# Altium PCB XSensCustomDevKitPCB.PcbDoc (continued)
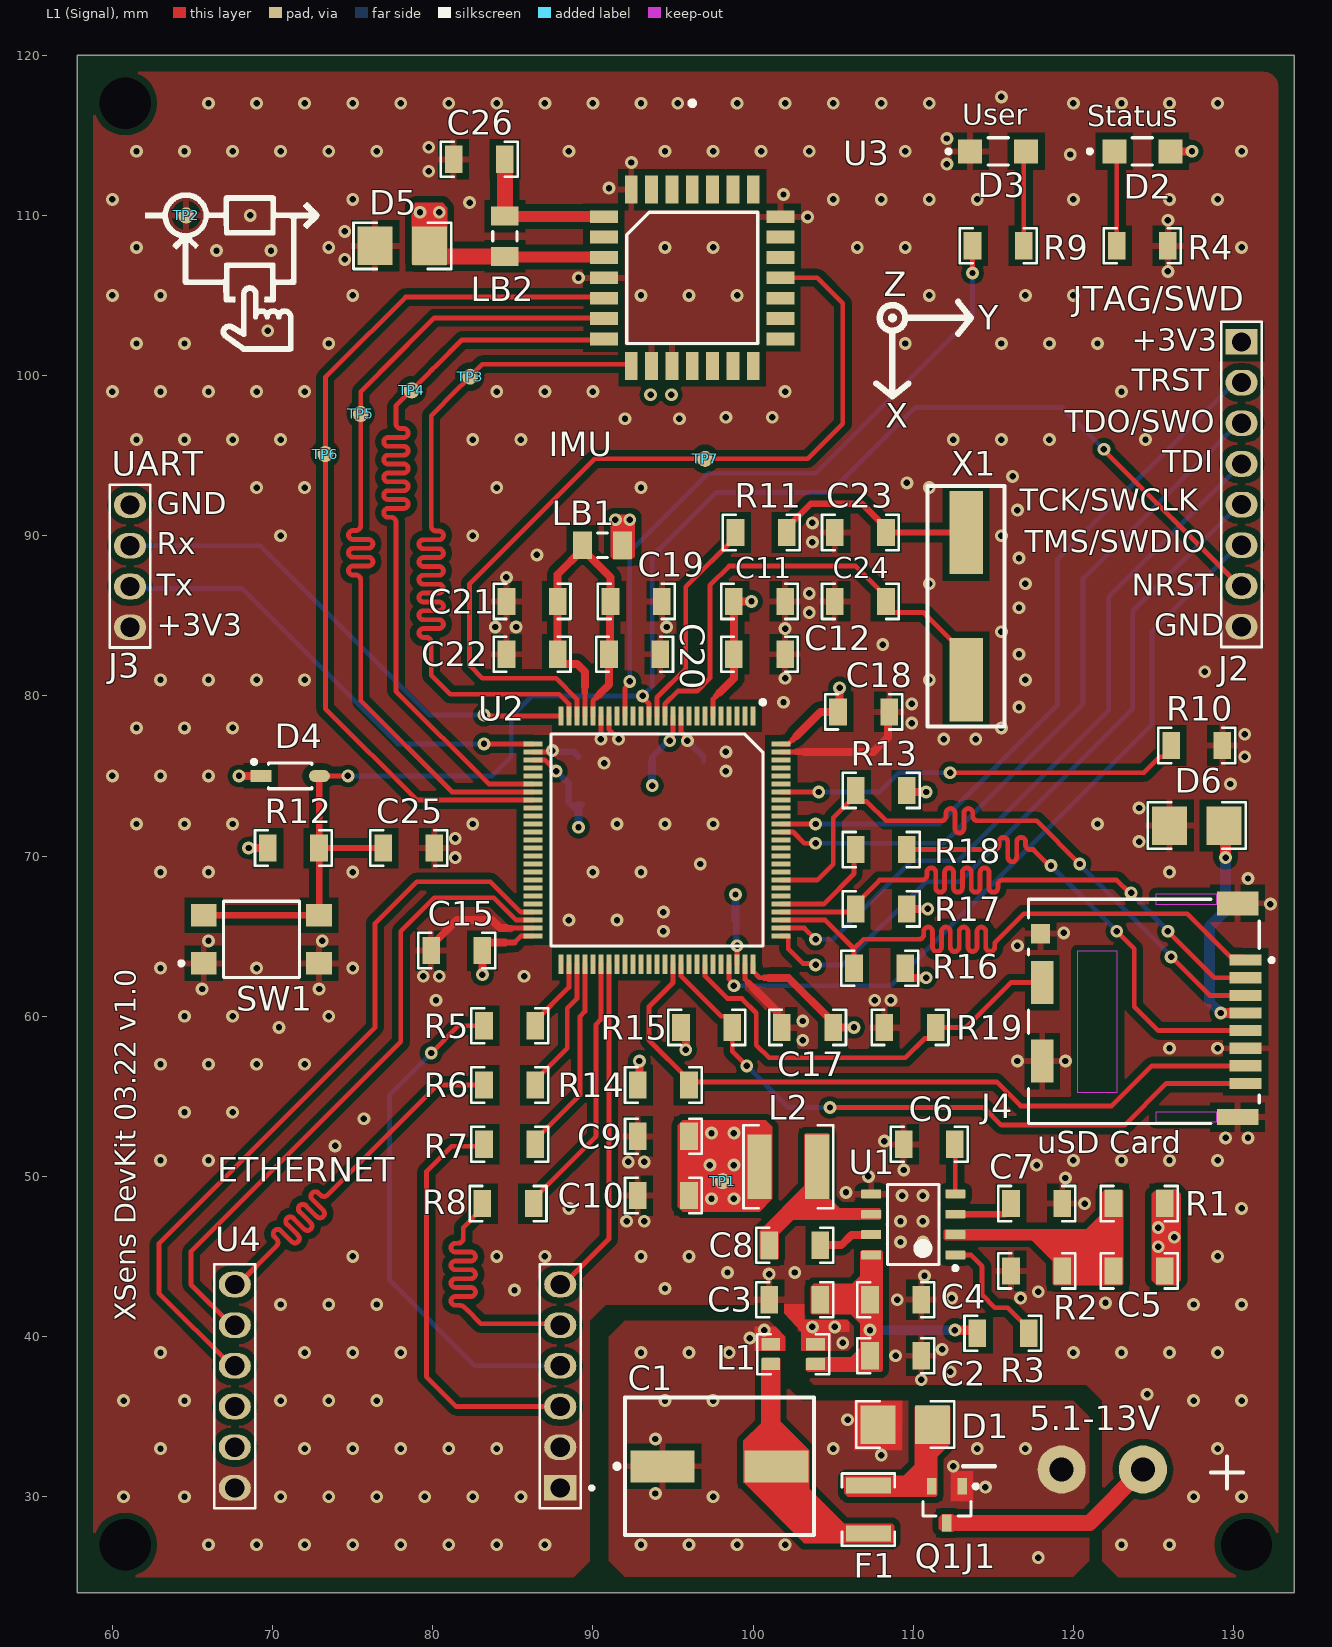
[diagram p0: L1 (Signal) view]
## Footprints (in the part's own frame and the unit in brackets; to place one, negate y for a bottom-side part, rotate by r counter-clockwise, add the part's x,y. Pads: shape width x height; smd on the part's side, far side on the other; paste and mask are expansions set on the pad) (continued)
  rect 1.76x0.8 smd: 5(-5.51,3.81) 6(-5.51,2.54) 7(-5.51,1.27) 8(-5.51,0) 9(-5.51,-1.27) 10(-5.51,-2.54) 11(-5.51,-3.81) 19(5.51,-3.81) 20(5.51,-2.54) 21(5.51,-1.27) 22(5.51,0) 23(5.51,1.27) 24(5.51,2.54) 25(5.51,3.81)
  silkscreen extent -4.09,-4.1 4.1,11, body extent -8.67,-8.67 8.67,8.67, height 4.6
RES_1206 [mm]
  rect 1.1x1.7 smd: 1(-1.6,0) 2(1.6,0)
  silkscreen extent -2.4,-1.1 2.4,1.1, body extent -1.6,-0.83 1.6,0.83, height 0.53
"TestPoint Pad 1.0mmx1.0mm" [mm] "TestPoint Pad 1.0mmx1.0mm"
  round 1 smd mask+0.2: 1(0,0)
TVS_Littlefuse [mm]
  rect 2.2x2.4 smd: 1(-1.7,0) 2(1.7,0)
  silkscreen extent -3.05,-1.45 3.05,1.45, body extent -2.46,-1.27 2.47,1.27, height 2
XTAL-12.5x4.8 [mm]
  rect 5.2x2.1 smd: 1(-4.6,0) 2(4.6,0)
  silkscreen extent -7.5,-2.4 7.5,2.4, body extent -6.4,-2.41 6.4,2.41, height 4.3

## Part data
C1: library part "CAP_ELECTROLYTIC D8", "CAP_ELECTROLYTIC D8"
C2 C3 C4 C5 C6 C7 C8 C9 C10 C11 C12 C13 C14 C15 C16 C17 C18 C19 C20 C21 C22 C23 C24 C25 C26: library part CAP_1206, "Generic 1206/3216 capacitor"
D1: library part TVS_13V, "TVS Diode TVS_SMAJ13CA  13V Bidirectional"
D2: library part CMP-22017-000010-1, "LED GREEN CLEAR 1206 SMD", Case Code (Imperial)=1206, Case Code (Metric)=3216, Color=Green, Forward Current=30mA, Forward Voltage=2V, Lens Color=Colorless, Max Operating Temperature=85°C, Min Operating Temperature=-55°C, Package Quantity=1, Power Dissipation=75mW, Reverse Voltage=5V, Test Current=20mA, Case/Package=1206, Depth=1.6mm, Dominant Wavelength=571nm, Height=1.1mm, Illumination Color=Green, Lead Free="Lead Free", Length=3.2mm, Lens Style=Diffused, Lens Transparency=Clear, Luminous Intensity=71mcd, Mount="Surface Mount", Number of Elements=1, Number of LEDs=1, Number of Pins=2, Packaging="Tape and Reel", Power Rating=75mW, Radiation Hardening=No, Viewing Angle=130°, Wavelength=574nm, Width=1.6mm
D3: library part CMP-2000-06618-2, "LED YELLOW CLEAR 1206 SMD", Case Code (Imperial)=1206, Case Code (Metric)=3216, Color=Yellow, Forward Current=30mA, Forward Voltage=2.4V, Lens Color=Colorless, Max Operating Temperature=85°C, Min Operating Temperature=-55°C, Package Quantity=1, Power Dissipation=75mW, Reverse Voltage=5V, Test Current=20mA, Case/Package=1206, Depth=1.6mm, Dominant Wavelength=587nm, Height=1.1mm, Illumination Color=Yellow, Lead Free="Lead Free", Length=3.2mm, Lens Style=Diffused, Lens Transparency=Clear, Luminous Intensity=60mcd, Mount="Surface Mount", Number of Elements=1, Number of LEDs=1, Number of Pins=2, Packaging="Tape and Reel", Power Rating=75mW, Radiation Hardening=No, Viewing Angle=130°, Wavelength=588nm, Width=1.6mm
D4: library part CMP-2000-04993-2, "DIODE GEN PURP 100V 150MA SOD123", Average Rectified Current=150mA, Capacitance=4pF, Forward Voltage=1V, Max Forward Surge Current (Ifsm)=1A, Max Operating Temperature=150°C, Max Repetitive Reverse Voltage (Vrrm)=100V, Max Reverse Leakage Current=5uA, Max Surge Current=2A, Min Operating Temperature=-65°C, Package Quantity=3000, Power Dissipation=400mW, Current Rating=150mA, Element Configuration=Single, Forward Current=150mA, Height=1.2mm, Lead Free="Lead Free", Length=2.85mm, Max Reverse Voltage (DC)=100V, Mount="Surface Mount", Number of Pins=2, Output Current=150mA, Packaging="Tape and Reel", Peak Non-Repetitive Surge Current=2A, Polarity=Standard, Radiation Hardening=No, Recovery Time=4ns, Reverse Recovery Time=4ns, Voltage Rating (DC)=100V, Width=1.8mm
D5 D6: library part TVS_5V, "TVS Diode TVS_SMAJ5.0CA  5V Bidirectional"
F1: library part FUSE_0ZCH0050FF2G, "FUSE 500mA/16V"
J1: library part "1x2 Header (Terminal Block 5.08mm)", "1x2 Header, Through Hole(Terminal Block 5.08mm)"
J2: "1x8 Header,Through Hole (Goldpin 2.54m)"
J3: library part "1x4 Header (Goldpin 2.54mm)", "1x4 Header,Through Hole (Goldpin 2.54mm)"
J4: library part CMP-11597-000003-1, "CONN MICRO SD CARD HINGED TYPE", Contact Resistance=100mR, Current Rating=500mA, Flammability Rating="UL94 V-0", Insulation Resistance=1GR, Max Operating Temperature=85°C, Min Operating Temperature=-25°C, Package Quantity=1, Voltage Rating (AC)=125V, Connector Type=Connector, Contact Material=Gold, Contact Plating=Gold, Depth=1.83mm, Gender=Female, Housing Material=Polymer, Lead Free="Lead Free", Length=14.1mm, Max Current Rating=500mA, Mount="Surface Mount", Number Of Contacts=8, Number of Positions=8, Number of Rows=1, Orientation="Right Angle", Packaging="Tape and Reel", Pitch=1.1mm, Radiation Hardening=No, Termination=Solder, Width=13.8mm
L1: library part CMC-1206USB, "31nH @ 100MHz 2 Line Common Mode Choke Surface Mount 37 Ohms @ 100MHz 1A DCR 0.1 Ohms"
L2: library part IND_DJNR5020-3R3-S
LB1: library part CMP-2000-05955-1, "Chip Bead, 100 MHz, 200 mA, -55 to 125 degC, 2-Pin SMD (1206), RoHS, Tape and Reel", Case Height=1.1mm, Case Length=3.2mm, Case Width=1.6mm, Manufacturer=Murata, Maximum DC Current=200mA, Maximum DC Resistance=150mOhms, Operating Temperature Range=-55Cto+125C, Package / Case=1206(3216metric), Package Description="2-Pin Surface Mount Device, Body 3.2 x 1.6 mm", Package Reference=1206, Test Frequency=100MHz, Tolerance=25%, Brand=MurataElectronics, Datasheet URL=http://www.mouser.com/ds/2/281/L0110S0100BLM31A_SP-767397.pdf, Datasheet Version=11/2007, Dimensions=1.6mmWx3.2mmLx1.1mmH, Factory Pack Quantity=2500, Impedance=70Ohms, Manufacturer URL=http://www.murata.com/, Mounting Technology=SurfaceMount, Packaging=Reel, Product=FerriteChipBeads, Product Category=EMIFilterBeads,Chips&Arrays, RoHS=Details, Series=BLM31A, Termination Style=SMD/SMT
LB2: library part CMP-2000-05956-1, "Chip EMIFIL(R) Inductor Type Chip Ferrite Bead, 600 Ohm, +/- 25%, -55 to 125 degC, 2-Pin SMD (1206), RoHS, Tape and Reel", Manufacturer=Murata, Maximum DC Current=200mA, Maximum DC Resistance=900mOhms, Operating Temperature Range=-55Cto+125C, Package / Case=1206(3216metric), Package Description="2-Pin Surface Mount Device, Body 3.2 x 1.6 mm", Package Reference=1206, Test Frequency=100MHz, Tolerance=25%, Brand=MurataElectronics, Datasheet URL=https://datasheet.ciiva.com/1014/blm31a-sp-1014542.pdf, Datasheet Version=11/2007, Factory Pack Quantity=3000, Height=1.1mm, Impedance=600Ohms, Length=3.2mm, Manufacturer URL=http://www.murata.com/, Mounting Technology=SurfaceMount, Packaging=Reel, Product=FerriteChipBeads, Product Category=FerriteBeads, RoHS=True, Series=BLM, Termination Style=SMD/SMT, Type=ChipFerriteBeadSingleType, Unit Weight=0.000353oz, Width=1.6mm
Q1: library part CMP-1099-00027-1, "P-Channel OptiMOS P3 Small-Signal-Transistor, -30 V VDS, -1.5 A ID, -55 to 150 degC, PG-SOT23, Reel, Green", Manufacturer=Infineon, ComponentLink1Description="Manufacturer URL", ComponentLink1URL=http://www.infineon.com/, ComponentLink2Description=Datasheet, ComponentLink2URL=http://www.infineon.com/dgdl/BSS314PE_rev2.3.pdf?folderId=db3a304314dca38901154a72e3951a65&fileId=db3a304330f68606013109b696aa0084, ComponentLink3Description="Package Specification", ComponentLink3URL=http://www.infineon.com/dgdl/SOT23-Package_Overview.pdf?folderId=db3a30431936bc4b0119532290053c66&fileId=db3a30431936bc4b0119533468123c85, DatasheetVersion="Rev. 2.3", Green=TRUE, Halogen-free=TRUE, ID (max)="-1.5Â A", IDpuls (max)="-6.1Â A", Mounting Technology="Surface Mount", PackageDescription="3-Pin Small Outline Transistor Package, 2.9 x 1.3 mm Body, 0.95 mm Pitch", PackageReference=PG-SOT23, PackageVersion=Apr-08, Packing=Reel, PartNumber=BSS314PE, Pto t (max)="0.5Â W", QG="-2.9Â nC", RDS (on) (max)="140Â mOhm", RDS (on) (max) (@4.5V)="230Â mOhm", Rth="250Â K/W", VDS (max)="-30Â V", VGS(th) (max)="-2Â V", VGS(th) (min)="-1Â V"
R1 R2 R3 R4 R5 R6 R7 R8 R9 R10 R11 R12 R13 R14 R15 R16 R17 R18 R19: library part RES_1206, "Generic 1206/3216 resistor"
SW1: library part CMP-17879-000010-1, "SWITCH TACTILE SPST-NO 50MA 12V", Max Operating Temperature=70°C, Min Operating Temperature=-20°C, Operating Force=260gf, Actuator Type=Standard, Illumination Type=Non-Illuminated, Lead Free="Lead Free", Mechanical Life=200000Cycles, Mount="Surface Mount", Packaging="Tape and Reel", Switch Function=Off-Mom, Switch Travel=0.2mm, Termination="Gull Wing", Throw Configuration=SPST
U1: library part CMP-0323-00178-3, "Buck Step Down Regulator with 4.5 to 18 V Input and 0.76 to 7 V Output, -40 to 85 degC, 8-Pin SOIC (D), Green (RoHS & no Sb/Br)", Manufacturer="Texas Instruments", Rating=Catalog, Switch Current Limit(Typ)(A)=3.3, Code_JEDEC=MS-012AA, ComponentLink1Description=Datasheet, ComponentLink1URL=http://www.ti.com/general/docs/lit/getliterature.tsp?genericPartNumber=TPS54228&fileType=pdf, ComponentLink2Description="Package Specification", ComponentLink2URL=http://www.ti.com/litv/pdf/msoi002j, ComponentLink3Description="URL Link1", ComponentLink3URL="Samples URL:http://www.ti.com/product/tps54228#samples", DatasheetVersion=SLVSAU1C, Duty Cycle(Max)(%)=90, Eco-Plan="Green (RoHS & no Sb/Br)", Iout(Max)(A)=2, Iq(Typ)(mA)=0.8, Mounting Technology="Surface Mount", PackageDescription="8-Pin Plastic Small Outline Integrated Circuit, 4.9 x 3.9 mm, Pitch 1.27 mm Pitch", PackageReference=D0008A, PackageVersion="revM, Jun-2011", PartNumber=TPS54228D, Regulated Outputs(#)=1, SubFamily="Step-Down Regulator", Synchronous Rectification=TRUE, Topology=Buck, Vin(Max)(V)=18, Vin(Min)(V)=4.5, Vout(Max)(V)=7, Vout(Min)(V)=0.76
U2: "STM32L433RC, 80MHz, Coretx-M4"
U3: "PLCC-28SMD socket for Xsens MTi-1 (SPI)"
U4: "2x6 Famale Header for WIZ820io ETH controller (W5200)"
X1: library part XTAL-8MHz, "XTAL-8MHz"

## Free pads (board coordinates)
  round 1 hole 3.2: ""(60.8,27) ""(60.8,117) ""(130.8,27)

## Via types
v1: diameter 0.8, hole 0.4, L1 (Signal) to L4 (Signal), tented both sides, 407 vias

## Nets (pads, with @x,y where several pads share a name; then routed paths per layer and width w, separated by ;. In a path a pad name is that pad's centre, name@x,y a point inside that pad or via, vN(x,y) a via of type N, cw(c..) or ccw(c..) an arc to the next point about the centre after c; other vN are vias at no path point)
+3V3: C5.2 C9.1 C10.1 C11.2 C12.2 C13.2 C14.2 C15.2 C16.2 C17.2 C18.2 D2.2 D4.1 D5.1 D6.1 J2.1 J3.1 J4.4 L2.2 LB1.1 LB2.1 R1.2 R12.2 R13.2 R14.2 R15.2 R16.2 R17.2 TP1.1 U2.6 U2.11 U2.28 U2.50 U2.73 U2.75 U2.100 U3.7 U4.10 U4.11 | length 80.9
  L1 (Signal) w0.3: 85.1,64.6 85.5,65 U2.50 ; U2.28 86.995,76 87.495,75.5 87.5,75.5 v1(87.7,75.3) ; v1(94.8,77.2) 94.8,77.335 95,77.535 U2.11 ; U2.6 97.5,79.8 97.7,80 ; U2.73 99,64.3 v1(99,64.4) ; U2.75 100,62.8 100.4,62.4 100.7,62.4 ; U2.100 102.2,77 102.5,77.3
  L1 (Signal) w0.4: 84.5,64.6 85.1,64.6 ; 97.7,80 97.9,80.2 ; 100.7,62.4 101,62.4 ; 102.5,77.3 102.7,77.5
  L1 (Signal) w0.5: v1(67.9,75) D4.1 ; v1(68.5,70.5) R12.2 ; v1(83.1,62.6) C15.2 83.1,64.3 83.4,64.6 84.5,64.6 ; R14.2 92.9,56.3 v1(92.9,57.2) ; R15.2 95.8,58.7 v1(95.8,57.9) ; 97.9,80.2 98.8,81.1 C12.2 C11.2 99.1,85.9 v1(99.9,85.9) ; 101,62.4 102.2,62.4 105,59.6 C17.2 v1(106.3,59.3) ; 102.7,77.5 104.2,79 C18.2 105.4,79.6 v1(105.4,80.5) ; R16.2 109.8,62.4 v1(110.8,62.4) ; R17.2 109.9,66.7 v1(110.9,66.7) ; R13.2 109.9,74 v1(110.8,74) ; D2.2 v1(127.4,114)
  L1 (Signal) w0.6: v1(129.2,60.2) J4.4 ; D6.1 D6.1@129.5,71.8
  L1 (Signal) w0.7: D5.1 D5.1@80.455,107.445 ; LB2.1 84.538,107.408 90.653,107.408 U3.7 ; v1(129.5,69.9) D6.1@129.5,71.8
  L1 (Signal) w1: D5.1 ccw(c79.8,108.6) D5.1@80.3,108.6 ; D5.1@80.455,107.445 LB2.1
  L4 (Signal) w0.4: v1(87.7,75.3) 88.5,74.5 88.5,73.35 88.85,73 C14.2 ; C14.2@89,73.2 C14.2@89.3,73.2 ; C13.2 93.7,76.2 94.7,77.2 v1(94.8,77.2) ; C16.2 98.95,65.95 98.95,64.45 v1(99,64.4)
  L4 (Signal) w0.5: v1(89.1,71.8) C14.2 ; v1(93.7,74.4) 93.7,75.25 C13.2 ; C16.2 98.9,66.6 v1(98.9,67.6)
  L4 (Signal) w0.6: 128.5,60.9 v1(129.2,60.2)
  L4 (Signal) w0.7: 128.5,60.9 128.5,65.6 129.5,66.6 v1(129.5,69.9)
  other v1: 125.3,45.6 126.3,46.2 125.3,46.8 97.4,48.6 98.8,48.6 97.3,50.7 98.8,50.7 97.4,52.7 98.8,52.7 91.4,91 92.3,91 79.2,110.2 80.4,110.2
+3V3A: C19.2 C20.2 C21.2 C22.2 LB1.2 U2.21 U2.22 | length 24.4
  L1 (Signal) w0.3: U2.22 89.5,80.2 ; U2.21 90,79.7 90.2,79.9
  L1 (Signal) w0.4: 89.5,80.2 89.5,80.6 ; 90.2,79.9 90.4,80.1
  L1 (Signal) w0.5: C21.2@87.6,85.7 C21.2 87.8,87.59 LB1.2@89.345,89.135 ; C21.2@87.9,85.9 87.8,85.8 C22.2 87.8,82.3 88.1,82 89,82 89.5,81.5 89.5,80.6 ; LB1.2 LB1.2@89.345,89.135 ; 90.4,80.1 91,80.7 C20.2 91.05,82.65 91.05,85.85 C19.2 91.1,87.4 89.71,88.79 89.69,88.79 LB1.2@89.345,89.135
BUCK_EN: R3.1 U1.1 | length 7.8
  L1 (Signal) w0.3: U1.1 113.595,45.095 114.3,44.39 114.3,42.6 115.1,41.8 115.9,41.8 117.2,40.5 R3.1
BUCK_SS: C6.2 U1.4 | length 3.1
  L1 (Signal) w0.3: C6.2 112.625,51.975 U1.4
BUCK_SW: C8.2 L2.1 U1.6
BUCK_VBST: C8.1 U1.7 | length 3.5
  L1 (Signal) w0.5: C8.1 105.5,45.7 106.14,46.34 107.35,46.34 U1.7
BUCK_VFB: C5.1 R1.1 R2.1 U1.2
BUCK_VIN: C2.2 C3.2 C4.2 L1.2 R3.2 U1.8 | length 6.8
  L1 (Signal) w0.6: v1@112.619,40.381 R3.2@113.819,40.381
  L1 (Signal) w0.7: v1(112.6,40.4) v1@112.619,40.381 ; R3.2@113.819,40.381 R3.2
  L4 (Signal) w0.6: v1(107.3,40.4) v1(112.6,40.4)
BUCK_VREG5: C7.1 U1.3 | length 3.9
  L1 (Signal) w0.4: U1.3 115.735,47.635 116.1,48 C7.1
CARD_DETECT: J4.10 R19.1 U2.69 | length 27.9
  L1 (Signal) w0.3: U2.69 97,62.505 98.405,61.1 99.3,61.1 100.2,60.2 100.2,58.2 101,57.4 109.5,57.4 110.7,58.6 111,58.6 111.4,59 R19.1 113.3,59.3 116.1,62.1 J4.10 J4.10@118.05,61.45
FUSE_OUT: C1.2 F1.2 L1.1
GND: C2.1 C3.1 C4.1 C6.1 C7.2 C9.2 C10.2 C11.1 C12.1 C13.1 C14.1 C15.1 C16.1 C17.1 C18.1 C19.1 C20.1 C21.1 C22.1 C23.1 C24.1 C25.1 C26.1 D3.1 D5.2 D6.2 J2.8 J3.4 J4.6 J4.9 J4.11 J4.12 J4.13 L1.3 R2.2 R4.2 R10.1 R19.2 SW1.1 SW1.2 TP2.1 U1.5 U2.10 U2.19 U2.20 U2.27 U2.49 U2.74 U2.99 U3.4 U3.8 U3.13 U3.14 U3.25 U4.1 U4.2 U4.12 | length 30.8
  L1 (Signal) w0.3: 84.9,65.5 U2.49 ; U2.27 87.4,76.5 87.4,76.516 v1(87.467,76.583) ; v1(90.5,77.3) 90.5,78.3 U2.20 ; U2.19 91,77.902 91.6,77.302 v1(91.6,77.3) ; U2.10 95.5,77.735 95.9,77.335 v1(95.9,77.2) ; U2.74 99.5,62.3 99.7,62.1 ; U2.99 102.7,76.5
  L1 (Signal) w0.4: 84.6,65.5 84.9,65.5 ; 99.7,62.1 100,61.8 ; 102.7,76.5 103.2,76.5
  L1 (Signal) w0.5: C15.1 79.9,64.4 81.5,66 83.7,66 84.2,65.5 84.6,65.5 ; 100,61.8 101.5,60.3 101.5,59.6 C17.1 ; 103.2,76.5 107.507,76.5 108.407,77.4 108.407,78.907 C18.1
  L4 (Signal) w0.3: C13.1 C13.1@96.9,76.2
  L4 (Signal) w0.4: v1(87.467,76.583) 87.467,76.5 88.8,76.5 C14.1 ; v1(95.9,77.2) C13.1@96.9,76.2
  other v1: 66,27 69,27 72,27 75,27 78,27 81,27 84,27 87,27 123,27 126,27 60.7,30 64.5,30 70.5,30 73.5,30 76.5,30 79.5,30 82.5,30 85.5,30 127.5,30 130.5,30 63,33 72,33 75,33 78,33 81,33 84,33 129,33 60.7,36 64.5,36 70.5,36 73.5,36 76.5,36 127.5,36 130.5,36 124.6,36.4 110.5,37.3 112.3,37.8 108.9,38.8 63,39 72,39 75,39 78,39 120,39 123,39 126,39 129,39 111.8,39.2 105.6,39.6 103.7,40.6 105.1,40.6 70.5,42 73.5,42 76.5,42 127.5,42 130.5,42 122,42.1 109,42.3 112.4,42.4 116.7,42.4 117.8,42.8 85.1,42.9 94.5,43 110.7,43.8 101,43.9 98.4,44 102.6,44 75,45 84,45 87,45 93,45 96,45 129,45 109.2,45.9 110.6,45.9 92.1,47.2 93.2,47.2 109.2,47.2 110.6,47.2 88.5,48 130.5,48 120.7,48.3 109.3,48.8 110.6,48.8 105.8,49 119.5,49.9 107.2,50 109.4,50.4 117.7,50.7 92.2,50.9 93.2,50.9 63,51 66,51 120,51 123,51 126,51 129,51 73.9,51.9 108.2,52.2 129.5,52.4 130.9,52.4 75.7,53.6 64.5,54 67.5,54 63,57 66,57 69,57 72,57 116.5,57.2 119.5,57.2 126,58 129,58 103.1,58.5 70.4,59.3 103.1,59.7 64.5,60 67.5,60 73.5,60 80.2,61 107.6,61 108.6,61 65.6,61.7 72.9,61.7 79.4,62.5 80.4,62.5 85.7,62.5 63,63 69,63 75,63 116.5,64.4 66,64.7 73.1,64.7 119.4,65.2 94.4,65.3 88.5,66 91.5,66 94.4,66.5 132.3,67 130.9,68.6 63,69 66,69 75,69 90,69 93,69 126,69 96.7,69.5 81.4,69.9 124.1,70.9 81.4,71.1 61.5,72 64.5,72 67.5,72 82.5,72 91.5,72 94.5,72 97.5,72 121.5,72 124.1,73 129.8,74.5 60,75 63,75 66,75 98.3,75.3 90.7,75.8 130.7,76.2 98.3,76.5 111.9,77.3 113.9,77.3 130.7,77.6 61.5,78 64.5,78 67.5,78 115.5,78 109.9,78.3 116.6,79.3 109.9,79.5 101.9,79.6 63,81 66,81 69,81 72,81 111,81 117,81 102,81.1 128.2,81.5 116.6,82.6 108.1,83.2 115.5,84 102,84.2 83.9,84.3 85.2,84.3 94.6,84.3 103.5,85.2 116.6,85.5 103.5,86.4 111,87 117,87 84.6,87.4 116.6,88.6 86.5,88.8 103.7,89.6 70.5,90 82.5,90 115.5,90 103.7,90.8 116.5,91.6 69,93 72,93 84,93 93,93 111,93 109.6,93.3 116.2,93.7 61.5,96 64.5,96 67.5,96 70.5,96 82.5,96 85.5,96 112.5,96 115.5,96 118.5,96 124.5,96 92,97.3 95.4,97.3 98.3,97.4 101.2,97.4 60,99 63,99 66,99 69,99 72,99 84,99 87,99 90,99 102,99 123,99 61.5,102 64.5,102 73.5,102 109.5,102 115.5,102 118.5,102 121.5,102 69.7,102.8 60,105 63,105 75,105 93,105 96,105 99,105 111,105 117,105 120,105 89.1,106.1 125.9,106.5 74.5,107.25 66.5,107.8 69.9,107.8 61.5,108 73.5,108 94.5,108 97.5,108 106.5,108 109.5,108 130.5,108 74.5,109 125.9,109.7 103.4,109.9 68.6,110 82.3,110.8 60,111 75,111 105,111 108,111 111,111 114,111 120,111 126,111 129,111 101.9,111.3 91,111.7 79.75,112.75 112.1,113.2 92.4,113.3 119.8,113.8 61.5,114 64.5,114 67.5,114 70.5,114 73.5,114 76.5,114 88.5,114 94.5,114 97.5,114 100.5,114 103.5,114 109.5,114 130.5,114 79.75,114.25 112.1,114.8 66,117 69,117 72,117 75,117 78,117 81,117 84,117 87,117 90,117 93,117 95.3,117 99,117 102,117 105,117 108,117 111,117 120,117 123,117 126,117 129,117 115.5,117.4
GND_2: C1.1 D1.2 J1.2 L1.4 Q1.1
  other v1: 117.8,26.2 93,27 96,27 99,27 102,27 97.5,30 93.9,30.2 114.5,30.6 112.5,31.9 108,32.6 105,33 114,33 117,33 93.9,33.6 105.9,34.8 94.5,36 97.5,36 93,39 96,39 98.5,39 99.8,39.9 100.7,40.4
IMU_DRDY: TP7.1 U2.23 U3.22 | length 53.2
  L1 (Signal) w0.3: U2.23 89,79.8 87.7,81.1 83.1,81.1 82.3,81.9 82.3,87 90.1,94.8 103.4,94.8 105.6,97 105.6,104.5 104,106.1 U3.22
IMU_MISO: TP4.1 U2.31 U3.11 | length 56.1
  L1 (Signal) w0.3: U2.31 83.5,74.5 77.7,80.3 77.7,90.7 77.7,90.85 ccw(c77.4,90.85) 77.4,91.15 77.215,91.15 cw(c77.215,91.427) 77.215,91.704 78.185,91.704 ccw(c78.185,91.981) 78.185,92.258 77.215,92.258 cw(c77.215,92.535) 77.215,92.812 78.185,92.812 ccw(c78.185,93.089) 78.185,93.366 77.215,93.366 cw(c77.215,93.643) 77.215,93.92 78.185,93.92 ccw(c78.185,94.197) 78.185,94.474 77.215,94.474 cw(c77.215,94.751) 77.215,95.028 78.185,95.028 ccw(c78.185,95.305) 78.185,95.582 77.215,95.582 cw(c77.215,95.859) 77.215,96.136 78.185,96.136 ccw(c78.185,96.413) 78.185,96.69 78,96.69 cw(c78,96.99) 77.7,96.99 77.7,97.6 77.7,98.1 79.65,100.05 79.95,100.35 80.25,100.65 81.824,102.224 90.624,102.224 U3.11
IMU_MOSI: TP5.1 U2.32 U3.10 | length 55.7
  L1 (Signal) w0.3: U2.32 81.2,74 75.5,79.7 75.5,85.5 75.5,87.1 75.5,87.25 ccw(c75.2,87.25) 75.2,87.55 75.015,87.55 cw(c75.015,87.827) 75.015,88.104 75.985,88.104 ccw(c75.985,88.381) 75.985,88.658 75.015,88.658 cw(c75.015,88.935) 75.015,89.212 75.985,89.212 ccw(c75.985,89.489) 75.985,89.766 75.015,89.766 cw(c75.015,90.043) 75.015,90.32 75.2,90.32 ccw(c75.2,90.62) 75.5,90.62 75.5,91.1 75.5,98.1 75.5,99 76.5,100 76.8,100.3 80.1,103.6 90.65,103.6 U3.10
IMU_nCS: TP6.1 U2.33 U3.9 | length 55.5
  L1 (Signal) w0.3: U2.33 79,73.5 73.3,79.2 73.3,97.1 73.3,99.9 73.95,100.55 78.3,104.9 90.62,104.9 U3.9
IMU_SCK: TP3.1 U2.24 U3.12 | length 55.3
  L1 (Signal) w0.3: U2.24 88.5,79.495 87.895,80.1 81.1,80.1 79.9,81.3 79.9,83.2 79.9,83.35 ccw(c79.6,83.35) 79.6,83.65 79.415,83.65 cw(c79.415,83.927) 79.415,84.204 80.385,84.204 ccw(c80.385,84.481) 80.385,84.758 79.415,84.758 cw(c79.415,85.035) 79.415,85.312 80.385,85.312 ccw(c80.385,85.589) 80.385,85.866 79.415,85.866 cw(c79.415,86.143) 79.415,86.42 80.385,86.42 ccw(c80.385,86.697) 80.385,86.974 79.415,86.974 cw(c79.415,87.251) 79.415,87.528 80.385,87.528 ccw(c80.385,87.805) 80.385,88.082 79.415,88.082 cw(c79.415,88.359) 79.415,88.636 80.385,88.636 ccw(c80.385,88.913) 80.385,89.19 79.415,89.19 cw(c79.415,89.467) 79.415,89.744 80.385,89.744 ccw(c80.385,90.021) 80.385,90.298 80.2,90.298 cw(c80.2,90.598) 79.9,90.598 79.9,91.4 79.9,94.2 79.9,97.5 81.5,99.1 82.05,99.65 82.6,100.2 83.1,100.7 92.28,100.7 U3.12
IMU_VDDA: C26.2 LB2.2 U3.5 | length 9.8
  L1 (Signal) w0.7: LB2.2 84.523,109.933 90.668,109.933 U3.5
  L1 (Signal) w1: LB2.2 C26.2
LED_PWR_K: D2.1 R4.1 | length 6
  L1 (Signal) w0.3: R4.1 D2.1@122.7,113.85
  L1 (Signal) w0.4: D2.1 D2.1@122.7,113.85
LED_USER: R9.1 U2.17 | length 42.3
  L1 (Signal) w0.3: U2.17 92,80.465 92.3,80.765 v1(92.3,80.9) ; v1(113.7,106.4) R9.1
  L4 (Signal) w0.3: v1(92.3,80.9) 92.3,89 97.2,93.9 103.9,93.9 113.7,103.7 v1(113.7,106.4)
LED_USER_A: D3.2 R9.2 | length 6
  L1 (Signal) w0.3: R9.2 D3.2@116.9,113.85
  L1 (Signal) w0.4: D3.2@116.9,113.85 D3.2
MCU_BOOT0: R10.2 U2.94 | length 25.7
  L1 (Signal) w0.3: U2.94 v1(104.1,74) ; v1(112.3,75.2) 124.4,75.2 125.4,76.2 125.7,76.2 126.1,76.6 R10.2
  L4 (Signal) w0.3: v1(104.1,74) 107.9,74 109.1,75.2 v1@112.298,75.2
MCU_MISO: R6.2 U2.53 | length 8.6
  L1 (Signal) w0.3: R6.2 86.4,56 88.4,58 88.4,60.5 89,61.1 U2.53
MCU_MOSI: R7.2 U2.54 | length 12.5
  L1 (Signal) w0.3: R7.2 86.4,52.3 89.2,55.1 89.2,60 89.5,60.3 U2.54
MCU_NRST: C25.2 D4.2 J2.7 R12.1 SW1.3 SW1.4 U2.14 | length 99.3
  L1 (Signal) w0.3: D4.2 v1(74.7,75) ; v1(93.1,80) 93.1,79.895 93.5,79.495 U2.14 ; v1(121.9,95.4) 121.9,95.33 130.37,86.86 J2.7
  L1 (Signal) w0.4: SW1.3 SW1.4 R12.1 ; D4.2 72.913,74.988 72.913,70.513 R12.1 ; C25.2 R12.1
  L4 (Signal) w0.3: v1(74.7,75) 83.7,75 84.9,76.2 84.9,78.7 86.2,80 v1(93.1,80) 93.7,80.6 93.7,88.7 97.7,92.7 104.8,92.7 110.1,98 119.3,98 v1(121.9,95.4)
MCU_nSS: R8.2 U2.56 | length 16.7
  L1 (Signal) w0.3: R8.2 86.3,48.6 90.2,52.5 90.2,59.5 90.5,59.8 U2.56
MCU_OSC_IN: C24.2 U2.12 X1.2 | length 30.7
  L1 (Signal) w0.3: U2.12 94.5,79.495 95.305,80.3 96.5,80.3 97.3,81.1 97.3,86.9 98.5,88.1 106.4,88.1 108.3,86.2 C24.2 108.3,85.6 108.7,85.2 110.65,85.2 113.3,82.55 X1.2
MCU_OSC_OUT: R11.1 U2.13 | length 13.5
  L1 (Signal) w0.3: U2.13 94,79.9 95.8,81.7 95.8,86.8 98.9,89.9 R11.1
MCU_SCLK: R5.2 U2.52 | length 4.7
  L1 (Signal) w0.3: R5.2 86.4,59.7 88.5,61.8 U2.52
MCU_TCK/SWCLK: J2.5 U2.76 | length 45.4
  L1 (Signal) w0.3: U2.76 102.2,65 102.2,64.2 103.104,63.296 103.804,63.296 v1(103.9,63.2)
  L4 (Signal) w0.3: v1(103.9,63.2) 105.6,63.2 110.8,68.4 112.9,68.4 123.7,79.2 123.7,85.3 130.34,91.94 J2.5
MCU_TDI: J2.4 U2.77 | length 45.5
  L1 (Signal) w0.3: U2.77 103.2,65.5 v1(103.9,64.8)
  L4 (Signal) w0.3: v1(103.9,64.8) 105,64.8 109.9,69.7 112.8,69.7 122.2,79.1 122.2,86.18 J2.4
MCU_TDO/SWO: J2.3 U2.89 | length 44.5
  L1 (Signal) w0.3: U2.89 102.5,71.5 103.2,70.8 v1(103.9,70.8)
  L4 (Signal) w0.3: v1(103.9,70.8) 111.9,70.8 120.6,79.5 120.6,87.32 130.3,97.02 J2.3
MCU_TMS/SWDIO: J2.6 U2.72 | length 48
  L1 (Signal) w0.3: U2.72 98.5,62.307 98.8,62.007 v1(98.8,61.9)
  L4 (Signal) w0.3: v1(98.8,61.9) 108.6,61.9 124.9,78.2 124.9,84 130.3,89.4 J2.6
MCU_TRST: J2.2 U2.90 | length 45.5
  L1 (Signal) w0.3: U2.90 v1(103.9,72)
  L4 (Signal) w0.3: v1(103.9,72) 111.6,72 119,79.4 119,88.5 130.06,99.56 J2.2
PMOS_OUT: D1.1 F1.1 Q1.2
SD_CLK: J4.5 R18.2 | length 31.5
  L1 (Signal) w0.3: R18.2 114.9,70.4 115.05,70.4 ccw(c115.05,70.7) 115.35,70.7 115.35,70.885 cw(c115.627,70.885) 115.904,70.885 115.904,69.915 ccw(c116.181,69.915) 116.458,69.915 116.458,70.885 cw(c116.735,70.885) 117.012,70.885 117.012,70.7 ccw(c117.312,70.7) 117.312,70.4 117.5,70.4 117.9,70 118.5,69.4 v1(118.6,69.4) ; v1(122.7,65.3) 123.8,64.2 123.8,60.6 125.3,59.1 J4.5
  L4 (Signal) w0.3: v1(118.6,69.4) v1(122.7,65.3)
SDMMC_CLK: R18.1 U2.80 | length 6.9
  L1 (Signal) w0.3: U2.80 104.4,67 106.3,68.9 106.3,70.3 R18.1
SDMMC_CMD: J4.3 R13.1 U2.83 | length 42
  L1 (Signal) w0.3: U2.83 104,68.5 105,69.5 105,72.4 R13.1@106.4,73.8 ; R13.1 R13.1@106.4,73.8 ; v1(120.4,69.5) 117.7,72.2 114.6,72.2 114.012,72.2 cw(c114.012,72.5) 113.712,72.5 113.712,72.685 ccw(c113.435,72.685) 113.158,72.685 113.158,71.715 cw(c112.881,71.715) 112.604,71.715 112.604,72.685 ccw(c112.327,72.685) 112.05,72.685 112.05,72.5 cw(c111.75,72.5) 111.75,72.2 111.6,72.2 108.3,72.2 107.1,73.4 106.8,73.4 R13.1@106.4,73.8 ; v1(126.1,63.7) 128.5,61.3 J4.3
  L4 (Signal) w0.3: v1(120.4,69.5) 120.4,69.45 126.1,63.75 v1(126.1,63.7)
SDMMC_D0: J4.7 R14.1 U2.65 | length 45.7
  L1 (Signal) w0.3: U2.65 95,62.1 93.5,60.6 93.5,58.5 96,56 R14.1 96.2,55.9 115.2,55.9 116.7,54.4 122.395,54.4 124.895,56.9 J4.7
SDMMC_D1: J4.8 R15.1 U2.66 | length 42
  L1 (Signal) w0.3: U2.66 95.5,62.505 98.005,60 98.3,60 98.7,59.6 R15.1 98.7,57.8 v1(99.6,56.9) ; v1(104.8,54.3) 114.4,54.3 115.5,53.2 123.2,53.2 125.8,55.8 J4.8
  L4 (Signal) w0.3: v1(99.6,56.9) 102.2,54.3 v1(104.8,54.3)
SDMMC_D2: J4.1 R16.1 U2.78 | length 43.1
  L1 (Signal) w0.3: U2.78 104.5,66 106.3,64.2 ; R16.1 106.3,64.2 ; J4.1 130.55,63.7 129.8,63.7 127.1,66.4 116.9,66.4 116.2,65.7 115.17,64.67 ccw(c115.382,64.458) 115.082,64.458 115.082,64.315 cw(c114.805,64.315) 114.528,64.315 114.528,65.285 ccw(c114.251,65.285) 113.974,65.285 113.974,64.315 cw(c113.697,64.315) 113.42,64.315 113.42,65.285 ccw(c113.143,65.285) 112.866,65.285 112.866,64.315 cw(c112.589,64.315) 112.312,64.315 112.312,65.285 ccw(c112.035,65.285) 111.758,65.285 111.758,64.315 cw(c111.481,64.315) 111.204,64.315 111.204,65.285 ccw(c110.927,65.285) 110.65,65.285 110.65,65.1 cw(c110.35,65.1) 110.35,64.8 110.2,64.8 106.9,64.8 106.3,64.2
SDMMC_D3: J4.2 R17.1 U2.79 | length 42.6
  L1 (Signal) w0.3: U2.79 106.2,66.5 R17.1 106.4,67 107.9,68.5 110.4,68.5 110.55,68.5 ccw(c110.55,68.8) 110.85,68.8 110.85,68.985 cw(c111.127,68.985) 111.404,68.985 111.404,68.015 ccw(c111.681,68.015) 111.958,68.015 111.958,68.985 cw(c112.235,68.985) 112.512,68.985 112.512,68.015 ccw(c112.789,68.015) 113.066,68.015 113.066,68.985 cw(c113.343,68.985) 113.62,68.985 113.62,68.015 ccw(c113.897,68.015) 114.174,68.015 114.174,68.985 cw(c114.451,68.985) 114.728,68.985 114.728,68.015 ccw(c115.005,68.015) 115.282,68.015 115.282,68.2 cw(c115.582,68.2) 115.582,68.5 116.3,68.5 122.7,68.5 123.5,67.7 v1(123.6,67.7) ; v1(125.9,65.3) 128.8,62.4 J4.2
  L4 (Signal) w0.3: v1(123.6,67.7) 123.6,67.65 125.9,65.35 v1(125.9,65.3)
UART_RX: J3.3 U2.26 | length 29.2
  L1 (Signal) w0.3: v1(83.2,77) U2.26
  L4 (Signal) w0.3: J3.3 61.23,86.7 68.1,86.7 77.8,77 v1(83.2,77)
UART_TX: J3.2 U2.25 | length 31.3
  L1 (Signal) w0.3: v1(83.2,78.8) 83.3,78.8 83.35,78.75 U2.25
  L4 (Signal) w0.3: J3.2 69.23,89.37 79.8,78.8 v1(83.2,78.8)
VIN+: J1.1 Q1.3 | length 13.6
  L1 (Signal) w1: Q1.3 120.99,28.35 J1.1
WIZ_MISO: R6.1 U4.7 | length 29.5
  L1 (Signal) w0.3: U4.7 67.84,43.25 70.145,45.555 70.251,45.661 ccw(c70.039,45.873) 70.251,46.085 70.12,46.216 cw(c70.316,46.412) 70.12,46.608 cw(c70.316,46.412) 70.512,46.608 71.198,45.922 ccw(c71.394,46.118) 71.59,45.922 ccw(c71.394,46.118) 71.59,46.314 70.904,47 cw(c71.1,47.195) 70.904,47.391 cw(c71.1,47.195) 71.295,47.391 71.981,46.705 ccw(c72.177,46.901) 72.373,46.705 ccw(c72.177,46.901) 72.373,47.097 71.687,47.783 cw(c71.883,47.979) 71.687,48.175 cw(c71.883,47.979) 72.079,48.175 72.765,47.489 ccw(c72.961,47.685) 73.157,47.489 ccw(c72.961,47.685) 73.157,47.881 72.471,48.567 cw(c72.667,48.762) 72.471,48.958 cw(c72.667,48.762) 72.862,48.958 72.993,48.827 ccw(c73.205,49.04) 73.417,48.827 73.995,49.405 80.29,55.7 R6.1
WIZ_MOSI: R7.1 U4.3 | length 26.2
  L1 (Signal) w0.3: R7.1 83.076,51.876 81.176,51.876 79.6,50.3 79.6,37.5 81.47,35.63 U4.3
WIZ_nINT: U2.57 U4.6 | length 21.4
  L1 (Signal) w0.3: U4.6 88.16,43.25 91,46.09 U2.57
WIZ_nRESET: U2.48 U4.8 | length 41
  L1 (Signal) w0.3: U4.8 67.44,40.71 64.9,43.25 64.9,45.3 78,58.4 78,65.3 80.1,67.4 83.8,67.4 85.2,66 U2.48
WIZ_nSS: R8.1 U4.5 | length 22.3
  L1 (Signal) w0.3: R8.1 83.1,48 81.9,46.8 81.9,46.7 81.9,46.127 cw(c81.6,46.127) 81.6,45.827 81.415,45.827 ccw(c81.415,45.55) 81.415,45.273 82.385,45.273 cw(c82.385,44.996) 82.385,44.719 81.415,44.719 ccw(c81.415,44.442) 81.415,44.165 82.385,44.165 cw(c82.385,43.888) 82.385,43.611 81.415,43.611 ccw(c81.415,43.334) 81.415,43.057 82.385,43.057 cw(c82.385,42.78) 82.385,42.503 81.415,42.503 ccw(c81.415,42.226) 81.415,41.949 81.655,41.949 cw(c81.655,41.476) 81.99,41.81 82.14,41.66 83,40.8 87.87,40.8 U4.5
WIZ_PWDN: U2.47 U4.9 | length 47
  L1 (Signal) w0.3: U4.9 67.44,38.17 62.9,42.71 62.9,45.8 76.4,59.3 76.4,65.8 79,68.4 83.6,68.4 85.5,66.5 U2.47
WIZ_SCLK: R5.1 U4.4 | length 32.1
  L1 (Signal) w0.3: v1(79.9,57.7) 81.6,59.4 R5.1
  L4 (Signal) w0.3: v1(79.9,57.7) 77.3,55.1 77.3,43.5 82.63,38.17 U4.4
XTAL_IN: C23.2 R11.2 X1.1 | length 13
  L1 (Signal) w0.4: R11.2 102.1,90.5 103.6,92 106.8,92 108.3,90.5 C23.2 X1.1
pads on no net: U2.1 U2.2 U2.3 U2.4 U2.5 U2.7 U2.8 U2.9 U2.15 U2.16 U2.18 U2.29 U2.30 U2.34 U2.35 U2.36 U2.37 U2.38 U2.39 U2.40 U2.41 U2.42 U2.43 U2.44 U2.45 U2.46 U2.51 U2.55 U2.58 U2.59 U2.60 U2.61 U2.62 U2.63 U2.64 U2.67 U2.68 U2.70 U2.71 U2.81 U2.82 U2.84 U2.85 U2.86 U2.87 U2.88 U2.91 U2.92 U2.93 U2.95 U2.96 U2.97 U2.98 U3.1 U3.2 U3.3 U3.6 U3.15 U3.16 U3.17 U3.18 U3.19 U3.20 U3.21 U3.23 U3.24 U3.26 U3.27 U3.28
copper on no net:
  other v1: 93.6,98.8 94.9,98.8

## Polygon pours and split planes (outlines as drawn)
GND on L2 (GND) "GND_L02_P001" (solid, pour order 1): 121.86,25.97 122.86,24.97 131.86,24.97 ccw(c131.86,25.97) 132.86,25.97 132.86,117.97 ccw(c131.86,117.97) 131.86,118.97 59.86,118.97 ccw(c59.86,117.97) 58.86,117.97 58.86,25.97 ccw(c59.86,25.97) 59.86,24.97 88.86,24.97 89.86,25.97 89.86,40.97 90.86,41.97 101.86,41.97 102.86,40.97 102.86,37.97 103.86,36.97 120.86,36.97 121.86,35.97
GND_2 on L2 (GND) "GND_2_L02_P000" (solid, pour order 0): 92,25 91,26 91,40 92,41 101,41 102,40 102,37 103,36 120,36 121,35 121,26 120,25
GND on L1 (Signal) "GND_L01_P006" (solid, pour order 6): 121.8,25.98 122.8,24.98 131.8,24.98 ccw(c131.8,25.98) 132.8,25.98 132.8,117.98 ccw(c131.8,117.98) 131.8,118.98 59.8,118.98 ccw(c59.8,117.98) 58.8,117.98 58.8,25.98 ccw(c59.8,25.98) 59.8,24.98 88.8,24.98 89.8,25.98 89.8,40.98 90.8,41.98 101.8,41.98 102.8,40.98 102.8,37.98 103.8,36.98 120.8,36.98 121.8,35.98
GND_2 on L1 (Signal) "GND_2_L01_P002" (solid, pour order 2): 92,25 91,26 91,40 92,41 101,41 102,40 102,37 103,36 120,36 121,35 121,26 120,25
GND on L4 (Signal) "GND_L04_P004" (solid, pour order 4): 121.83,25.94 122.83,24.94 131.83,24.94 ccw(c131.83,25.94) 132.83,25.94 132.83,117.94 ccw(c131.83,117.94) 131.83,118.94 59.83,118.94 ccw(c59.83,117.94) 58.83,117.94 58.83,25.94 ccw(c59.83,25.94) 59.83,24.94 88.83,24.94 89.83,25.94 89.83,40.94 90.83,41.94 101.83,41.94 102.83,40.94 102.83,37.94 103.83,36.94 120.83,36.94 121.83,35.94
GND_2 on L4 (Signal) "GND_2_L04_P005" (solid, pour order 5): 92,25 91,26 91,40 92,41 101,41 102,40 102,37 103,36 120,36 121,35 121,26 120,25
+3V3 on L3 (+3V3) "+3V3_L03_P007" (solid, pour order 7): 131.83,24.94 ccw(c131.83,25.94) 132.83,25.94 132.83,117.94 ccw(c131.83,117.94) 131.83,118.94 59.83,118.94 ccw(c59.83,117.94) 58.83,117.94 58.83,25.94 ccw(c59.83,25.94) 59.83,24.94 61.83,24.94

## Other copper
L1 (Signal):
  region net GND: 103,40.3 102,41.4 101.95,41.45 101.95,42 103.2,42 103.2,41.05 105.873,41.05 106,40.923 106,40.3
  region net GND: 103,40.3 104.885,40.3 104.885,39.108 103.008,39.108 103,39.1
  region net GND_2: 100.115,40.6 101.4,40.6 102,40 102,39.1 100.1,39.1 100.115,39.115
  region net GND_2: 106.3,36 109.3,36 109.3,32.9 106.3,32.9
  region net GND_2: 112.35,31.575 113.75,31.575 113.75,29.725 112.35,29.725
  region net FUSE_OUT: 100.5,38.6 100.6,38.7 101.6,38.7 101.7,38.6 101.7,34.7 103.5,32.9 103.5,30.5 105.7,28.3 108.7,28.3 108.8,28.2 108.8,27.2 108.7,27.1 103.2,27.1 99.5,30.8 99.4,30.9 99.4,33.5 100.5,34.6
  region net BUCK_VFB: 117.4,46 118.7,44.7 118.7,43.3 118.8,43.2 123,43.2 123.1,43.3 123.1,49.1 123,49.2 122,49.2 121.8,49 121.8,47.7 120.8,46.7 112,46.7 111.9,46.6 111.9,46.1 112,46
  region net +3V3: 124.9,43.5 125.2,43.2 126.4,43.2 126.7,43.5 126.7,48.9 126.4,49.2 125.2,49.2 124.9,48.9
  region net +3V3: 91.3,88.5 91.1,88.7 91.1,91.2 91.2,91.3 92.5,91.3 92.6,91.2 92.6,88.7 92.4,88.5
  region net +3V3: 80.9,107 80.8,106.9 78.8,106.9 78.7,107 78.7,110.6 78.9,110.8 80.633,110.8 80.9,110.48
  region net BUCK_VIN: 103.3,38.6 103.4,38.7 106.1,38.7 106.7,39.3 106.7,40.8 106.2,41.3 106.1,41.4 103.7,41.4 103.6,41.5 103.6,43.1 103.8,43.3 106.2,43.3 106.7,43.8 106.7,45.3 106.8,45.4 108,45.4 108.1,45.3 108.1,37.9 108,37.8 103.4,37.8 103.3,37.9 103.3,38.5
  region net PMOS_OUT: 110.2,35.7 112.2,35.7 112.3,35.6 112.3,33.3 111.5,32.5 111.5,30.1 111.4,30 105.9,30 105.7,30.2 105.7,31.2 105.8,31.3 109.4,31.3 110.1,32 110.1,35.6
  region net VIN+: 112.5,28.9 111.8,28.9 111.6,28.7 111.6,28 111.8,27.8 112.5,27.8
  region net +3V3: 95.6,53.5 95.3,53.2 95.3,48.1 95.6,47.8 100.4,47.8 101.2,48.6 101.2,53.1 100.8,53.5
  region net BUCK_SW: 108,47.4 107.9,47.3 102.5,47.3 101.6,46.4 101.6,44.9 101.5,44.8 100.5,44.8 100.4,44.9 100.4,46.6 103.2,49.4 103.2,52.6 103.3,52.7 104.7,52.7 104.8,52.6 104.8,48.6 105.4,48 107.9,48 108,47.9

## Silkscreen, mask and mechanical layers (free items; w line width, h text height)
Top Overlay:
  drawing of 13 lines, arcs and shapes, not listed
  text "User" at 113.054,115.654 h1.3
  text "Status" at 120.854,115.554 h1.3
  text "Z" at 108.154,104.954 h1.52
  text "JTAG/SWD" at 119.954,104.054 h1.52
  text "Y" at 114.054,102.854 h1.52
  text "+3V3" at 123.654,101.554 h1.4
  text "TRST" at 123.654,99.054 h1.4
  text "X" at 108.254,96.754 h1.52
  text "TDO/SWO" at 119.454,96.454 h1.4
  text "IMU" at 87.254,94.954 h1.52
  text "TDI" at 125.554,93.954 h1.4
  text "UART" at 59.954,93.754 h1.52
  text "TCK/SWCLK" at 116.654,91.554 h1.4
  text "GND" at 62.754,91.354 h1.4
  text "TMS/SWDIO" at 116.954,88.954 h1.4
  text "Rx" at 62.754,88.854 h1.4
  text "Tx" at 62.754,86.254 h1.4
  text "NRST" at 123.654,86.254 h1.4
  text "+3V3" at 62.754,83.754 h1.4
  text "GND" at 125.054,83.754 h1.4
  text "uSD Card" at 117.754,51.454 h1.4
  text "ETHERNET" at 66.554,49.654 h1.52
  text "XSens DevKit 03.22 v1.0" at 61.446,40.954 h1.3 r90
  text "5.1-13V" at 117.254,34.154 h1.52
Mechanical 1:
  lines w0.254: 57.8,24 57.8,25.27 57.8,117 57.8,118.73 57.8,120 57.9,120 59.07,120 132.53,120 133.8,120 133.8,118.73 133.8,27 133.8,25.27 133.8,24 132.53,24 60.8,24 59.07,24 57.8,24